# Altium PCB IMX6 DEV BOARD.PcbDoc (part 11 of 12) (continued)
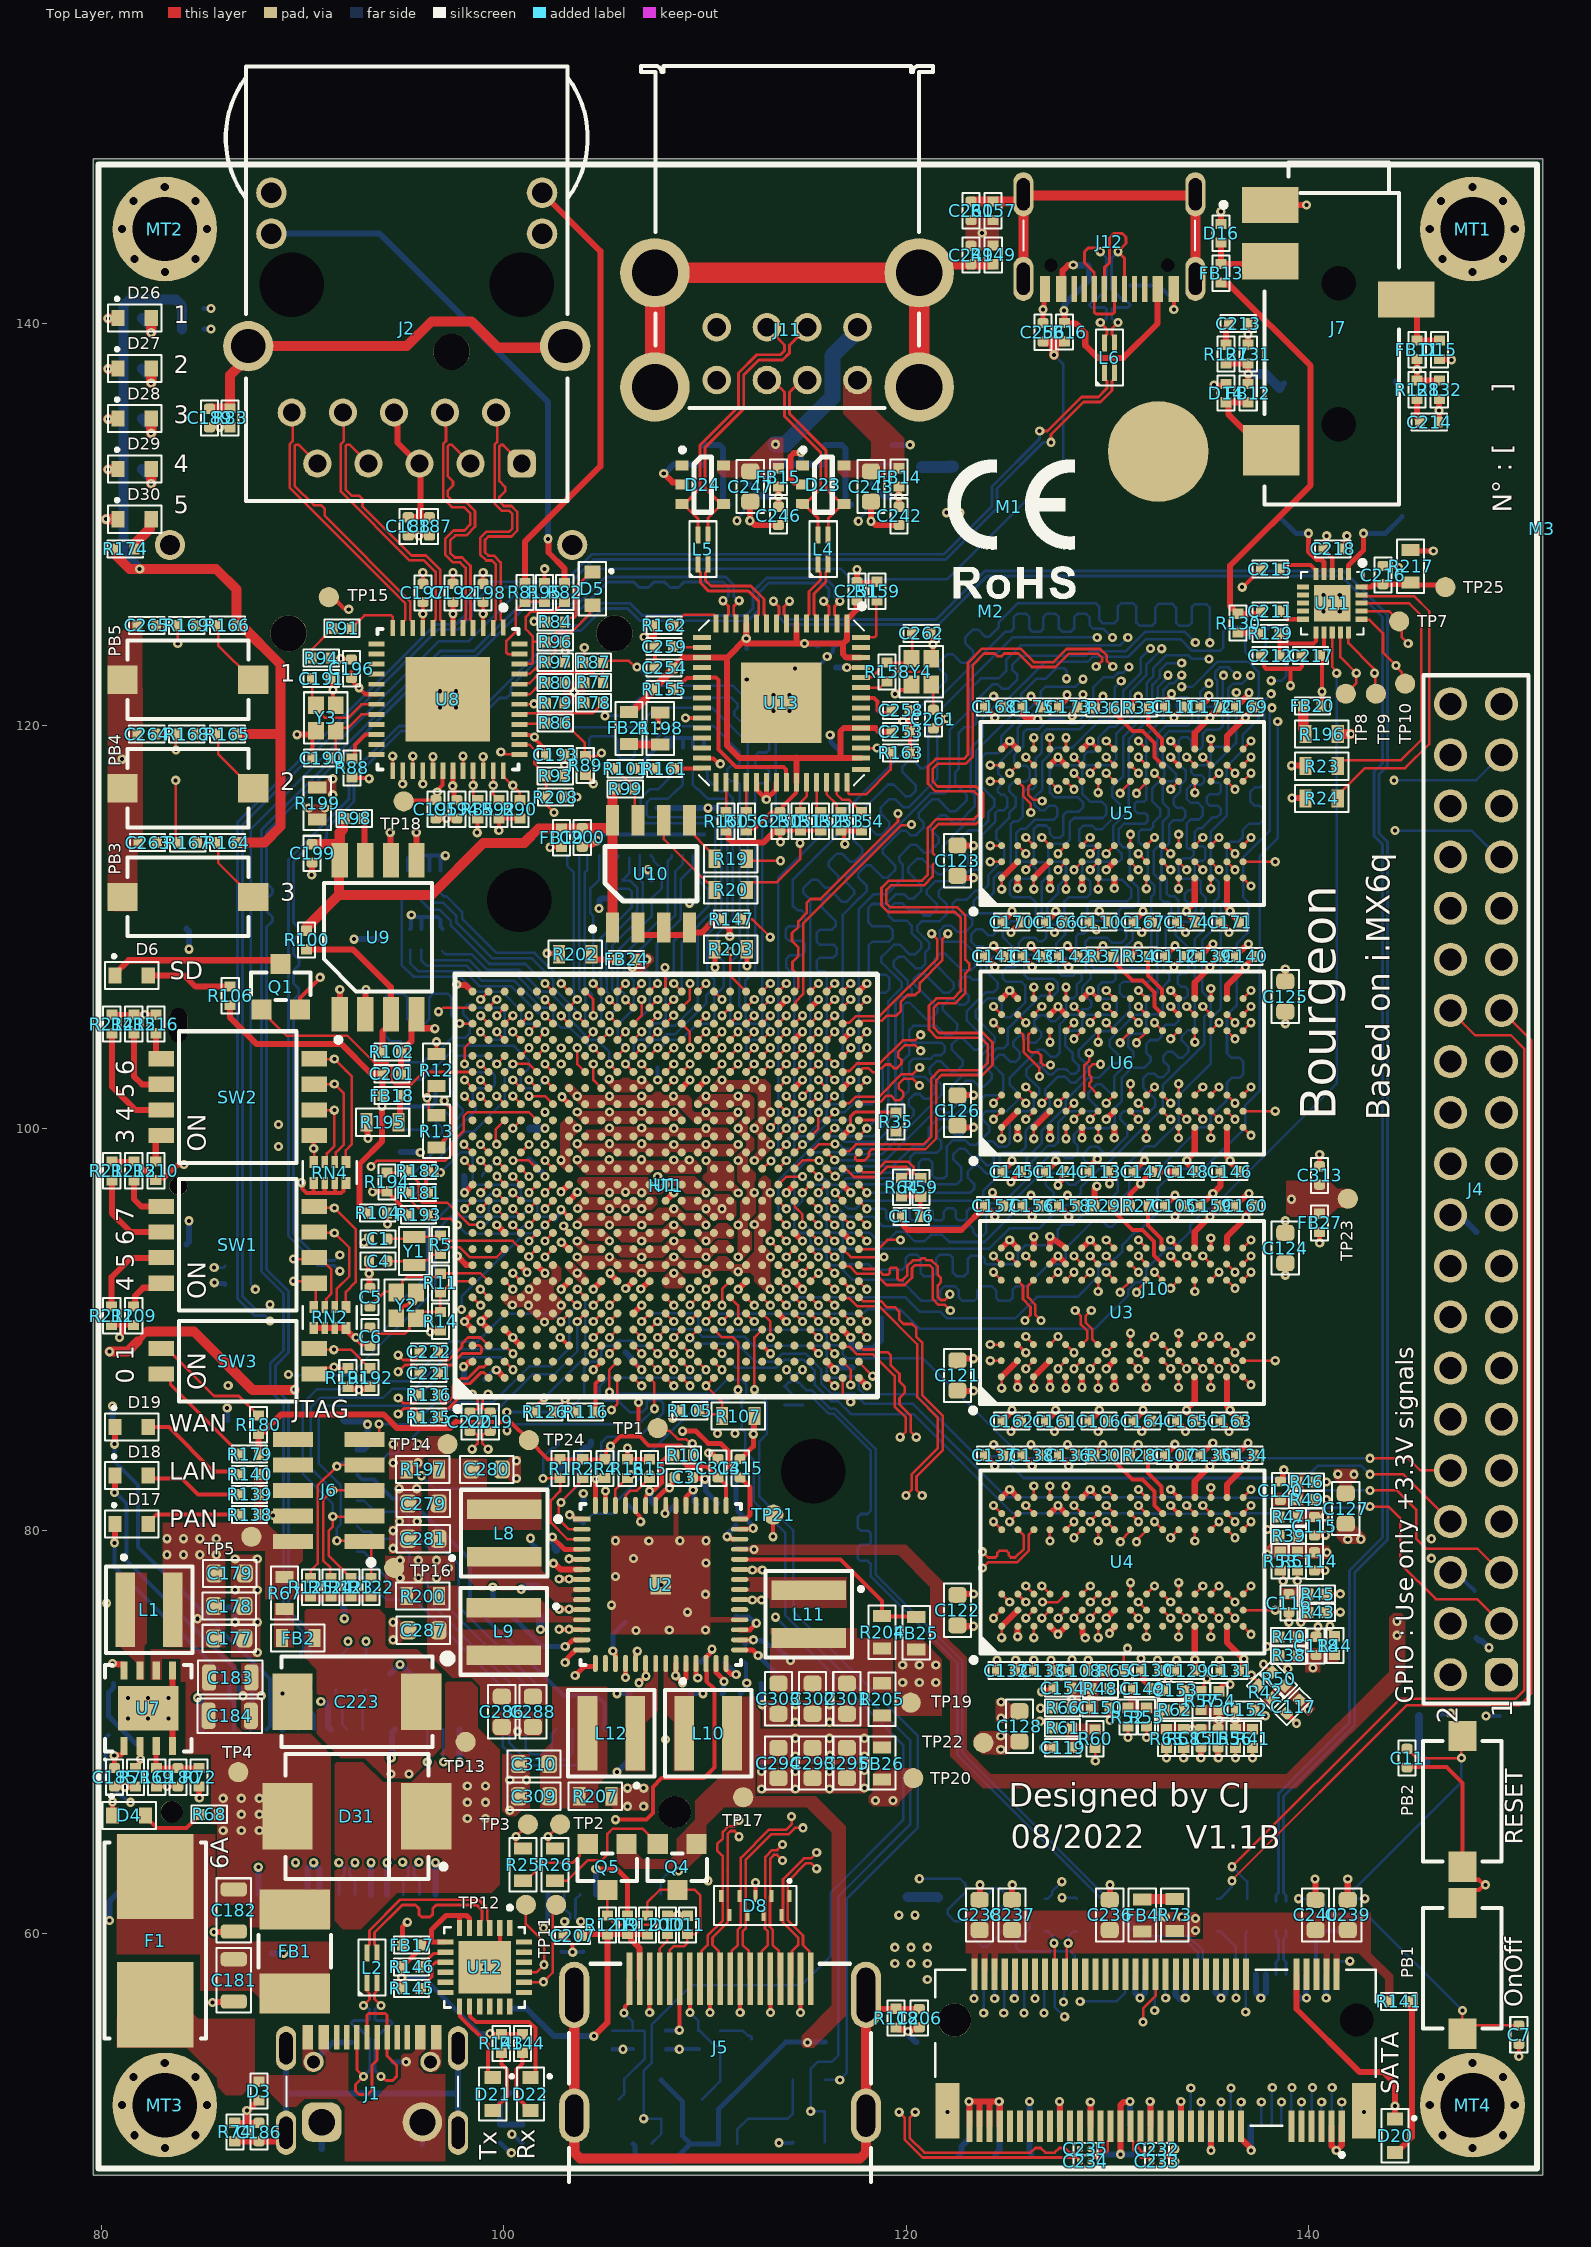
[diagram p0: Top Layer view]
## Polygon pours and split planes (outlines as drawn) (continued)
GND on Top Layer "GND_L01_P099" (solid, pour order 99): 94.722,75.674 94.984,75.412 95.535,75.412 95.535,74.687 95.09,74.687 94.744,74.341 94.274,74.353 94.274,75.674
NetL8_1 on Top Layer "NETL8_1_L01_P093" (solid, pour order 93): 17 vertices, not listed, extent 98.2,76.45 104.15,79.05
NetL9_1 on Top Layer "NETL9_1_L01_P092" (solid, pour order 92): 104.05,75.45 104.05,75.692 103.368,75.692 103.368,75.75 102.65,75.75 101.75,76.65 98.35,76.65 98.15,76.45 98.15,75.45
NetL11_1 on Top Layer "NETL11_1_L01_P091" (solid, pour order 91): 112.237,77.475 112.237,77.175 111.328,77.175 111.328,76.973 112.855,76.974 113.228,76.6 113.228,76.175 117.053,76.175 117.053,77.675 111.353,77.675 111.353,77.475
NetL12_1 on Top Layer "NETL12_1_L01_P090" (solid, pour order 90): 107.05,68.05 107.05,70.462 107.65,71.062 107.65,73.75 107.45,73.75 107.45,72.75 106.85,72.15 106.05,72.15 106.05,68.05
GND on Top Layer "GND_L01_P088" (solid, pour order 88): 142.4,83.075 142.4,82.575 142.15,82.325 142.15,81.625 141.975,81.45 141.7,81.45 141.55,81.6 141.55,82.3 141.25,82.6 141.25,83.075
GND on Top Layer "GND_L01_P083" (solid, pour order 83): 124.45,71.625 124.95,71.625 125.2,71.375 125.9,71.375 126.075,71.2 126.075,70.925 125.925,70.775 125.225,70.775 124.925,70.475 124.45,70.475
+0.75_DRAM_VTT on Top Layer "+0.75_DRAM_VTT_L01_P082" (solid, pour order 82): 124.35,68.875 123.773,68.877 123.35,69.3 123.35,69.7 123.673,70.023 124.352,70.025 124.95,70.025 125.2,69.775 125.9,69.775 126.075,69.6 126.075,69.325 125.925,69.175 125.225,69.175 124.925,68.875
+0.75_DRAM_VTT on Top Layer "+0.75_DRAM_VTT_L01_P081" (solid, pour order 81): 141.4,79.65 141.7,79.35 142.7,79.35 142.85,79.5 142.85,79.75 142.3,80.3 142.3,80.425 142.175,80.55 141.425,80.55 141.425,80.5 141.4,80.475
+0.75V_VREF_DRAM on Top Layer "+0.75V_VREF_DRAM_L01_P070" (solid, pour order 70): 140.987,95.6 141.445,96.058 142.1,96.058 142.1,97 141.438,97 141.038,97.4 138.9,97.4 138.9,95.6
+0.75_DRAM_VTT on Top Layer "+0.75_DRAM_VTT_L01_P010" (solid, pour order 10): 133.55,72.35 133.55,70.855 134.076,70.855 134.076,72.35
+0.75_DRAM_VTT on Top Layer "+0.75_DRAM_VTT_L01_P007" (solid, pour order 7): 136.125,69.925 137.494,69.925 137.494,70.4 136.656,70.4 136.656,71.35 136.125,71.35
DRAM_CLK0_CAP on Top Layer "DRAM_CLK0_CAP_L01_P020" (solid, pour order 20): 130.75,70.925 132.25,70.925 132.25,71.416 131.508,71.416 131.508,72.375 131.046,72.375 131.046,71.416 130.75,71.416
+0.75_DRAM_VTT on Top Layer "NONET_L-01_P-001" (solid, pour order 21): 129.675,69.871 129.087,69.871 129.087,69.575 128.5,69.575 128.5,68.95 127.975,68.95 127.975,70.4 129.675,70.4
+0.75_DRAM_VTT on Top Layer "+0.75_DRAM_VTT_L01_P017" (solid, pour order 17): 139.769,81.25 139.769,82.75 139.119,82.75 139.119,81.875 138.244,81.875 138.244,81.25 138.369,81.25
+0.75_DRAM_VTT on Top Layer "+0.75_DRAM_VTT_L01_P008" (solid, pour order 8): 132.617,70.375 132.617,69.9 134.992,69.9 134.992,70.375
+0.75_DRAM_VTT on Top Layer "+0.75_DRAM_VTT_L01_P009" (solid, pour order 9): 134.4,71.35 135.8,71.35 135.8,69.975 135.275,69.975 135.275,70.817 134.4,70.817
+0.75_DRAM_VTT on Top Layer "+0.75_DRAM_VTT_L01_P011" (solid, pour order 11): 137.748,71.593 138.815,72.66 140.337,71.138 139.975,70.775 138.8,71.95 138.096,71.246
+0.75_DRAM_VTT on Top Layer "+0.75_DRAM_VTT_L01_P012" (solid, pour order 12): 139.844,73.475 139.844,72.975 140.569,72.975 140.569,73.475 141.469,73.475 141.469,74.15 139.844,74.15 139.844,75.05 139.119,75.05 139.119,73.475
+0.75_DRAM_VTT on Top Layer "+0.75_DRAM_VTT_L01_P014" (solid, pour order 14): 140.169,75.7 139.772,75.304 139.615,75.304 139.519,75.4 139.519,76.575 138.694,76.575 138.694,77.15 140.169,77.15
+0.75_DRAM_VTT on Top Layer "+0.75_DRAM_VTT_L01_P015" (solid, pour order 15): 138.244,79.25 138.244,78.6 141.019,78.6 141.019,79.25
+0.75_DRAM_VTT on Top Layer "+0.75_DRAM_VTT_L01_P016" (solid, pour order 16): 139.169,79.4 139.744,79.4 139.744,80.425 141.051,80.425 141.051,80.707 141.051,80.975 139.169,80.975
+0.75_DRAM_VTT on Top Layer "+0.75_DRAM_VTT_L01_P018" (solid, pour order 18): 127.969,72.5 127.969,70.95 128.619,70.95 128.619,72.5
+0.75_DRAM_VTT on Top Layer "+0.75_DRAM_VTT_L01_P019" (solid, pour order 19): 128.9,72.469 128.9,70.825 129.544,70.825 129.544,72.3 129.944,72.7 130.194,72.7 130.194,73.35 129.569,73.35 129.569,72.9 129.144,72.475
+1.375_VDD_SOC_IN on PWR 1 "+1.375_VDD_SOC_IN_L04_P140" (solid, pour order 140): 45 vertices, not listed, extent 87.225,70.5 119,126.7
+1.5V_DRAM on PWR 1 "+1.5V_DRAM_L04_P133" (solid, pour order 133): 33 vertices, not listed, extent 109.475,71.9 144.35,126.8
+2.8V_VDD_HIGH on PWR 1 "+2.8V_VDD_HIGH_L04_P223" (solid, pour order 223): 112.1,87.5 113.2,86.4 113.2,86.2 111.6,84.6 108.5,84.6 107.037,86.062 107.037,88.338 103.15,92.225 103.15,94.3 103.55,94.7 107.2,94.7 112.1,89.8
VDDARM_CAP on PWR 1 "VDDARM_CAP_L04_P218" (solid, pour order 218): 107.275,94.75 109.625,92.4 109.9,92.4 111.475,93.975 111.475,94.75 111.5,94.75 111.5,97.1 103.175,97.1 103.175,94.75
+3.3V on PWR 1 "+3.3V_L04_P211" (solid, pour order 211): 66 vertices, not listed, extent 80.05,48.225 151.45,147.975
+3.3V_CARD on PWR 1 "+3.3V_CARD_L04_P203" (solid, pour order 203): 20 vertices, not listed, extent 80.05,48.4 144.45,80.1
+3.0V_VSNVS on PWR 1 "+3.0V_VSNVS_L04_P149" (solid, pour order 149): 106.75,86.8 106.95,86.6 106.95,86.1 105.35,86.1 101.2,90.25 101.2,95.025 102.35,96.175 103.05,96.175 103.05,92.3 106.75,88.6
+4.4V on PWR 1 "+4.4V_L04_P128" (solid, pour order 128): 27 vertices, not listed, extent 96.625,64.675 117.525,86.2
+0.75_DRAM_VTT on PWR 1 "+0.75_DRAM_VTT_L04_P025" (solid, pour order 25): 22 vertices, not listed, extent 105.775,65.375 144.2,83.7
+5V on PWR 2 "+5V_L05_P207" (solid, pour order 207): 37 vertices, not listed, extent 79.95,48.3 151.35,147.8
NetC283_1 on PWR 2 "NETC283_1_L05_P217" (solid, pour order 217): 21 vertices, not listed, extent 89.75,60.7 106.344,116.25
+3.3V_AUDIO on PWR 2 "+3.3V_AUDIO_L05_P320" (solid, pour order 320): 135.6,128.8 137.2,130.4 138.7,130.4 144.2,130.4 144.2,127.5 142.7,126 142.7,121.2 137.6,121.2 135.6,123.2
+3.3V_IMX6_IO on PWR 2 "+3.3V_IMX6_IO_L05_P143" (solid, pour order 143): 35 vertices, not listed, extent 102.475,90.9 117.425,108.6
NetC296_1 on PWR 2 "NETC296_1_L05_P146" (solid, pour order 146): 27 vertices, not listed, extent 110.45,72.6 122.075,109.925
NetC300_1 on PWR 2 "NETC300_1_L05_P216" (solid, pour order 216): 20 vertices, not listed, extent 142.9,74.5 151.4,129
+2.5V_TRANS on PWR 2 "+2.5V_TRANS_L05_P148" (solid, pour order 148): 37 vertices, not listed, extent 91.85,101.325 111.05,126.8
+3.3V on PWR 2 "+3.3V_L05_P214" (solid, pour order 214): 23 vertices, not listed, extent 103.35,65.7 117.9,87
+1.375_VDD_ARM on PWR 2 "+1.375_VDD_ARM_L05_P142" (solid, pour order 142): 36 vertices, not listed, extent 91.575,63.8 111.9,114.5
+5V_CdE on Bottom Layer "+5V_CDE_L08_P312" (solid, pour order 312): 55 vertices, not listed, extent 118.5,48.725 131.775,54.5
+3.3V_PCIe on Bottom Layer "+3.3V_PCIE_L08_P205" (solid, pour order 205): 25 vertices, not listed, extent 83.85,59.7 107.75,72.3
+1.5V_PCIe on Bottom Layer "+1.5V_PCIE_L08_P215" (solid, pour order 215): 36 vertices, not listed, extent 85.55,66 119.6,74
+2.8V_VDD_HIGH on Bottom Layer "+2.8V_VDD_HIGH_L08_P324" (solid, pour order 324): 27 vertices, not listed, extent 108.4,79.5 113.6,86.1
+1.5V_DRAM on Bottom Layer "+1.5V_DRAM_L08_P251" (solid, pour order 251): 57 vertices, not listed, extent 109.425,92.1 112.75,101.8
+5V_GPIO on Bottom Layer "+5V_GPIO_L08_P323" (solid, pour order 323): 143.3,78.4 142.6,77.7 142.6,76.4 142.9,76.1 145.5,76.1 145.5,77.4 144.5,78.4
NetC204_1 on Bottom Layer "NETC204_1_L08_P306" (solid, pour order 306): 147.85,72.5 148.616,73.266 148.616,73.734 147.85,74.5 147.85,74.8 148.55,75.5 148.55,76.363 146.538,76.363 146.15,75.975 143.375,73.2 142.95,73.2 142.95,71.8 147.15,71.8
GND on Bottom Layer "GND_L08_P289" (solid, pour order 289): 58 vertices, not listed, extent 110.2,91.7 113.675,103
+3.3V_CARD on Bottom Layer "+3.3V_CARD_L08_P319" (solid, pour order 319): 119.65,60 120.501,60 120.501,60.251 120.65,60.4 120.65,61 119.45,61 119.45,60.4 119.65,60.2
+5V on Bottom Layer "+5V_L08_P317" (solid, pour order 317): 146.078,79.9 146.339,79.639 146.35,78.96 146.35,78.616 145.637,77.9 145.25,77.9 145.25,79.6 145.55,79.9
+5V on Bottom Layer "+5V_L08_P301" (solid, pour order 301): 121.85,131.575 121.85,130.8 121.725,130.675 121.725,130.425 121.775,130.375 122.9,130.375 122.95,130.425 122.95,130.65 122.775,130.825 122.775,131.575
+3.3V_CdE on Bottom Layer "+3.3V_CDE_L08_P313" (solid, pour order 313): 27 vertices, not listed, extent 120.85,48.75 133.275,60.55
NetFB7_1 on Bottom Layer "NETFB7_1_L08_P310" (solid, pour order 310): 120.525,56.225 120.525,55.725 119.5,54.7 119.5,54.3 118.6,54.3 118.5,54.2 118.5,55.175 119.625,56.3 120.45,56.3
+5V on Bottom Layer "+5V_L08_P309" (solid, pour order 309): 119.1,57.3 121.3,57.3 121.3,59.575 119.1,59.575
NetC202_1 on Bottom Layer "NETC202_1_L08_P307" (solid, pour order 307): 42 vertices, not listed, extent 148.15,66.9 151.375,94.225
+5V_USB_HOST on Bottom Layer "+5V_USB_HOST_L08_P297" (solid, pour order 297): 20 vertices, not listed, extent 108.4,128.8 121.375,132.35
+2.5V_TRANS on Bottom Layer "+2.5V_TRANS_L08_P293" (solid, pour order 293): 110.037,102.938 110.037,102.713 110.25,102.5 110.25,102.275 110.125,102.15 109.85,102.15 109.575,102.425 109.575,102.95 109.65,103.025 109.95,103.025
+3.3V_IMX6_IO on Bottom Layer "+3.3V_IMX6_IO_L08_P292" (solid, pour order 292): 108.775,101.475 108.775,102.225 109.075,102.525 109.325,102.525 109.475,102.375 109.475,102.025 109.075,101.625 109.075,101.5
+2.5V_TRANS on Bottom Layer "+2.5V_TRANS_L08_P290" (solid, pour order 290): 102.923,101.348 103.3,101.725 103.3,102.075 103.225,102.15 103.025,102.15 103.025,102 102.673,101.648
VDDHIGH_CAP on Bottom Layer "VDDHIGH_CAP_L08_P288" (solid, pour order 288): 111.775,92.175 112.075,91.875 112.075,91.35 112.025,91.3 111.75,91.3 111.75,91.6 111.425,91.925
GND on Bottom Layer "GND_L08_P287" (solid, pour order 287): 101.05,92.6 100.965,92.685 100.965,92.865 101.1,93 101.2,93 101.5,92.7 101.65,92.7 101.7,92.65 101.7,92.275 101.45,92.025 101.45,91.925 101.325,91.8 101.125,91.8 101.1,91.825 101.05,91.9
VDDHIGH_CAP on Bottom Layer "VDDHIGH_CAP_L08_P286" (solid, pour order 286): 102.65,91.95 102.8,91.8 102.975,91.8 103.2,92.025 103.2,92.6 103.125,92.675 102.925,92.675 102.85,92.6 102.85,92.3 102.675,92.125
VDDHIGH_CAP on Bottom Layer "VDDHIGH_CAP_L08_P285" (solid, pour order 285): 28 vertices, not listed, extent 105.025,90 107.05,92.95
+3.3V_IMX6_IO on Bottom Layer "+3.3V_IMX6_IO_L08_P284" (solid, pour order 284): 104.275,92.125 104.25,92.125 104.25,91.8 104.775,91.8 104.925,91.95 104.925,92.575 104.875,92.625 104.65,92.625 104.525,92.5 104.525,92.375
VDDSOC_CAP on Bottom Layer "VDDSOC_CAP_L08_P283" (solid, pour order 283): 106.375,92.125 106.375,92.025 106.225,91.875 105.95,91.875 105.9,91.925 105.875,92.025 105.875,92.1 106.15,92.375 106.15,92.55 106.2,92.6 106.475,92.6 106.525,92.55 106.525,92.275
VDDSOC_CAP on Bottom Layer "VDDSOC_CAP_L08_P282" (solid, pour order 282): 17 vertices, not listed, extent 102.825,92.309 104.4,93.225
+3.3V_IMX6_IO on Bottom Layer "+3.3V_IMX6_IO_L08_P281" (solid, pour order 281): 108.225,92.725 108.65,92.3 109.7,92.3 109.775,92.375 109.775,92.6 109.625,92.75 108.775,92.75 108.5,93.025
GND on Bottom Layer "GND_L08_P280" (solid, remove dead copper, pour order 280): 72 vertices, not listed, extent 102.35,90.825 111.8,93.9
NVCC_PLL_OUT on Bottom Layer "NVCC_PLL_OUT_L08_P279" (solid, pour order 279): 101.525,92.975 101.65,92.85 101.775,92.85 101.85,92.775 101.85,92.225 101.6,91.975 101.6,91.2 101.675,91.125 102.275,91.125 102.45,91.3 102.45,92 102.25,92.2 102.25,92.975 102.025,93.2 101.525,93.2
NetC104_1 on Bottom Layer "NETC104_1_L08_P278" (solid, pour order 278): 101.922,93.425 102.3,93.425 102.425,93.55 102.6,93.55 102.625,93.575 102.625,93.85 102.075,93.85 101.817,93.592
+2.8V_VDD_HIGH on Bottom Layer "+2.8V_VDD_HIGH_L08_P277" (solid, pour order 277): 103.6,94.575 104.5,94.575 104.825,94.25 104.825,94.025 103.8,94.025 103.45,94.375
VDDHIGH_CAP on Bottom Layer "VDDHIGH_CAP_L08_P276" (solid, pour order 276): 104.6,94.7 105.075,94.225 105.35,94.225 105.475,94.35 105.475,94.425 104.9,95 104.6,95
VDD_SNVS_CAP on Bottom Layer "VDD_SNVS_CAP_L08_P275" (solid, pour order 275): 102.4,94.964 102.4,94.525 102.675,94.25 102.95,94.25 103,94.3 103,94.55 102.609,94.941
VDDARM_CAP on Bottom Layer "VDDARM_CAP_L08_P274" (solid, pour order 274): 104.037,95.112 104.313,95.112 104.425,95 104.425,94.8 104.35,94.725 103.775,94.725 103.748,94.748 103.425,95.075 103.425,95.275 103.45,95.3 103.848,95.3
VDDSOC_CAP on Bottom Layer "VDDSOC_CAP_L08_P273" (solid, pour order 273): 102.425,96.3 102.55,96.3 103.025,96.775 103.025,96.95 102.9,97.075 102.725,97.075 102.4,96.75 102.4,96.45
VDDARM_CAP on Bottom Layer "VDDARM_CAP_L08_P271" (solid, pour order 271): 104.55,97.75 104.55,97.225 104.55,96.55 104.65,96.45 106.825,96.45 107.025,96.65 107.025,96.9 106.9,97.025 106.175,97.025 106.025,97.175 106.025,97.9 105.9,98.025 104.825,98.025
VDDHIGH_CAP on Bottom Layer "VDDHIGH_CAP_L08_P270" (solid, pour order 270): 103.425,96.775 103.725,96.475 104.225,96.475 104.3,96.55 104.3,96.75 104.075,96.975 103.575,96.975
VDDARM_CAP on Bottom Layer "VDDARM_CAP_L08_P269" (solid, pour order 269): 108.8,94.975 108.8,94.6 108.85,94.55 109.65,94.55 110.2,95.1 110.2,95.2 110.1,95.3 109.9,95.3 109.7,95.1 108.925,95.1
VDDARM_CAP on Bottom Layer "VDDARM_CAP_L08_P268" (solid, pour order 268): 106.625,95.15 107.25,94.525 107.9,94.525 108.1,94.725 108.1,95.05 107.875,95.275 107.1,95.275 107,95.375 106.8,95.375
VDDSOC_CAP on Bottom Layer "VDDSOC_CAP_L08_P267" (solid, pour order 267): 109.95,94.575 109.947,94.311 110.111,94.211 110.425,94.525 111.3,94.525 111.3,94.95 111.1,95.15 110.525,95.15
VDDARM_CAP on Bottom Layer "VDDARM_CAP_L08_P266" (solid, pour order 266): 110.075,97 110.275,96.8 110.275,96.725 110,96.45 109.5,96.45 109.425,96.525 109.425,96.725 109.7,97
VDDSOC_CAP on Bottom Layer "VDDSOC_CAP_L08_P265" (solid, pour order 265): 19 vertices, not listed, extent 109.35,96.4 111.775,98.8
VDDSOC_CAP on Bottom Layer "VDDSOC_CAP_L08_P264" (solid, pour order 264): 108.525,97.025 108.725,97.025 109.05,96.7 109.05,96.575 108.95,96.475 108.425,96.475 108.275,96.625 108.275,96.775 108.475,96.975
GND on Bottom Layer "GND_L08_P263" (solid, pour order 263): 102.65,102.125 102.425,102.125 101.825,101.525 101.825,98.925 102.1,98.65 102.575,98.65 102.75,98.825 102.75,101.175 102.55,101.375 102.55,101.775 102.75,101.975
+3.3V_IMX6_IO on Bottom Layer "+3.3V_IMX6_IO_L08_P262" (solid, pour order 262): 103.1,98.25 103.25,98.4 103.25,98.575 103.375,98.7 103.375,99 103.3,99.075 103.3,99.475 103.625,99.8 103.625,100.3 103.275,100.65 102.875,100.65 102.875,98.725 102.7,98.55 102.7,98.325 102.775,98.25
GND on Bottom Layer "GND_L08_P184" (solid, pour order 184): 75 vertices, not listed, extent 102.875,94.725 111.75,99.9
VDDARM_CAP on Bottom Layer "VDDARM_CAP_L08_P258" (solid, pour order 258): 105.025,95.075 105.35,94.746 105.85,94.746 105.85,95 105.748,95 105.448,95.3 105.05,95.3 105.025,95.275
+1.375_VDD_ARM on Bottom Layer "+1.375_VDD_ARM_L08_P256" (solid, pour order 256): 35 vertices, not listed, extent 105.55,93.5 111.35,95
+1.375_VDD_ARM on Bottom Layer "+1.375_VDD_ARM_L08_P255" (solid, pour order 255): 108.25,98.5 108.55,98.8 109.65,98.8 109.65,98.5 109.45,98.3 108.35,98.3
+1.375_VDD_ARM on Bottom Layer "+1.375_VDD_ARM_L08_P254" (solid, pour order 254): 103.225,98.175 103.95,98.9 106.75,98.9 107.05,98.6 107.05,98.4 106.95,98.3 104.805,98.3 104.35,97.845 104.35,97.3 104.25,97.2 103.35,97.2 103.225,97.325
+1.375_VDD_SOC_IN on Bottom Layer "+1.375_VDD_SOC_IN_L08_P252" (solid, pour order 252): 37 vertices, not listed, extent 103.95,99.7 111.35,100.8
GND on Bottom Layer "GND_L08_P250" (solid, pour order 250): 109.75,100.7 109.85,100.6 110.15,100.6 110.25,100.7 110.25,100.8 109.75,101.3 108.833,101.3 108.65,101.483 108.65,101.7 108.25,101.7 108.25,101.5 109.05,100.7
+3.3V_IMX6_IO on Bottom Layer "+3.3V_IMX6_IO_L08_P248" (solid, pour order 248): 22 vertices, not listed, extent 104.65,102.275 106.975,102.9
GND on Bottom Layer "GND_L08_P247" (solid, pour order 247): 20 vertices, not listed, extent 103.45,101.4 107.05,102.4
VDDPU_CAP on Bottom Layer "VDDPU_CAP_L08_P245" (solid, pour order 245): 35 vertices, not listed, extent 103.05,100.7 108.65,101.6
GND on Bottom Layer "GND_L08_P136" (solid, pour order 136): 104.657,73.25 105.2,73.25 105.2,74.1 111.2,74.1 111.2,75.35 110.9,75.35 110.9,80.6 104.657,80.6
+4.4V on Bottom Layer "+4.4V_L08_P126" (solid, pour order 126): 107.65,73.75 107.65,71.85 106.45,71.85 106.45,73.75
+4.4V on Bottom Layer "+4.4V_L08_P125" (solid, pour order 125): 107.95,73.75 107.95,71.85 109.15,71.85 109.15,73.75
+4.4V on Bottom Layer "+4.4V_L08_P124" (solid, pour order 124): 111.25,78.35 111.25,76.35 113.05,76.35 113.05,78.35
+4.4V on Bottom Layer "+4.4V_L08_P117" (solid, pour order 117): 103.45,75.35 103.45,75.15 104.2,75.15 104.2,73.15 103.4,73.15 103.4,74.6 102.45,74.6 102.45,75.35
+4.4V on Bottom Layer "+4.4V_L08_P116" (solid, pour order 116): 102.55,75.65 103.55,75.65 103.55,75.35 104.2,75.35 104.2,77.25 102.55,77.25
+4.4V on Bottom Layer "+4.4V_L08_P115" (solid, pour order 115): 102.95,78.254 103.65,78.254 103.65,79.45 104.2,79.45 104.2,77.35 102.45,77.35 102.45,77.85 102.95,77.85
no net on Top Solder "NONET_L01_P185" (solid, pour order 185): 105.35,74.85 110.25,74.85 110.25,79.75 105.35,79.75
VDDSOC_CAP on Inner 5 "VDDSOC_CAP_L06_P222" (solid, pour order 222): 102.55,95.989 102.55,92.6 104.8,92.6 105.2,92.2 105.6,92.2 106,91.8 108.225,91.775 112,95.55 112,97.9 111.8,98.1 111.8,101.8 111.2,102.4 107.3,102.4 102.55,97.65
+1.1V_PHY on Inner 2 "+1.1V_PHY_L03_P322" (solid, pour order 322): 91.9,126 90.9,125 90.9,116.5 91.9,115.5 102,115.5 102.8,116.3 102.8,124.8 101.6,126
VDDHIGH_CAP on Inner 2 "VDDHIGH_CAP_L03_P221" (solid, pour order 221): 23 vertices, not listed, extent 102.65,91.525 116.1,102
GND on GND 1 (split plane): 151.14,48.479 80.11,48.479 80.11,147.69 151.14,147.69
GND on GND2 (split plane): 151.14,48.479 80.11,48.479 80.11,147.69 151.14,147.69

## Keep-outs
Keep-Out Layer:
  lines w0.1: 79.775,48.225 79.775,147.95 151.4,147.95 151.4,48.225 79.775,48.225

## Other copper
Bottom Layer:
  pour cut-out: 89.094,63.036 89.094,60.8 88.906,60.8 88.906,63.036
  pour cut-out: 123.804,51.277 123.984,51.277 123.984,49.511 123.771,49.511 123.771,51.277
  pour cut-out: 132.802,51.342 132.982,51.342 132.982,49.575 132.769,49.575 132.769,51.342
  pour cut-out: 125.303,51.287 125.482,51.287 125.482,49.52 125.269,49.52 125.269,51.287
  pour cut-out: 126.813,51.302 126.992,51.302 126.992,49.536 126.78,49.536 126.78,51.302

## Silkscreen, mask and mechanical layers (free items; w line width, h text height)
Top Overlay:
  lines w0.3: 79.85,48.3 151.35,48.3 151.35,147.9 79.85,147.9 79.85,48.3
  text "1" at 83.6,139.725 h1.5
  text "2" at 83.6,137.225 h1.5
  text "3" at 83.6,134.743 h1.5
  text "4" at 83.6,132.3 h1.5
  text "5" at 83.6,130.279 h1.5
  text "1" at 88.9,121.9 h1.5
  text "2" at 88.9,116.5 h1.5
  text "3" at 88.9,111.018 h1.5
  text "SD" at 83.4,107.118 h1.5
  text "Bourgeon" at 141.934,100.4 h3 r90
  text "Based on i.MX6q" at 144.444,100.4 h2 r90
  text "3 4 5 6" at 81.9,99.2 h1.5 r90
  text "4 5 6 7" at 81.9,91.9 h1.5 r90
  text "0 1" at 81.9,87.3 h1.5 r90
  text "JTAG" at 89.497,85.317 h1.5
  text "WAN" at 83.358,84.625 h1.5
  text "LAN" at 83.358,82.227 h1.5
  text "PAN" at 83.358,79.875 h1.5
  text "GPIO : Use only +3.3V signals" at 145.5,71.408 h1.5 r90
  text "Designed by CJ" at 125.1,65.876 h2
  text "RESET" at 150.947,64.396 h1.5 r90
  text "08/2022" at 125.2,63.822 h2
  text "V1.1B" at 133.9,63.8 h2
  text "6A" at 86.6,63.174 h1.5 r90
  text "OnOff" at 150.919,56.308 h1.5 r90
  text "SATA" at 144.782,52 h1.5 r90
  text "Tx" at 99.95,48.725 h1.5 r90
  text "Rx" at 101.825,48.725 h1.5 r90
Bottom Overlay:
  lines w0.3: 79.85,48.3 151.35,48.3 151.35,147.9 79.85,147.9 79.85,48.3
  text "MAX 0.5A/port" at 118.8,145.066 h1.5
  text "Use 2032 cells" at 101.7,116.018 h1.5
  text "Non-standard connector  / DO NOT connect wifi card or other" at 143.85,63.5 h1.5
  text "POW / tty" at 96.4,57.883 h1.5
  text "+5V 5A" at 95.9,56.418 h1.5
  text "+" at 95.454,51.8 h1.52
  text "-" at 90.454,51.692 h1.52
Mechanical 2:
  text "open landscape for no solder resist" at 111.575,155.575 h0.81 r90
  text "open landscape for no solder resist" at 123.35,109.825 h0.81 r90
  text "open landscape for no solder resist" at 76.131,70.232 h0.81 r90
Assembly Notes:
  drawing of 603 lines, arcs and shapes, not listed
  text "1" at 31.403,206.675 h1.78
  text "2" at 94.793,206.675 h1.78
  text "3" at 158.022,206.675 h1.78
  text "4" at 221.691,206.675 h1.78
  text "5" at 275,206.45 h1.78
  text "REVISION HISTORY" at 234.5,201.036 h3
  text "ZONE" at 211.9,197.424 h2
  text "REV" at 202.7,197.4 h2
  text "DATE" at 284,197.4 h2
  text "DESCRIPTION" at 244.7,197.324 h2
  text "Original release" at 221,194.376 h2
  text "All" at 213.1,194.3 h2
  text "A" at 203.707,194.157 h2.5
  text "05/2022" at 282.6,194.128 h2.5
  text "All" at 213.1,191.1 h2
  text "First batch" at 221,191.12 h2
  text "08/2022" at 282.724,191.03 h2.5
  text "B" at 203.9,190.9 h2.5
  text "A" at 2.032,177.643 h1.78
  text "A" at 294.132,177.643 h1.78
  text "Layer" at 206.973,174.4 h1
  text "Name" at 213.979,174.4 h1
  text "Material" at 229.65,174.4 h1
  text "Thickness" at 244.154,174.4 h1
  text "Constant" at 255.159,174.4 h1
  text "Board Layer Stack" at 264.832,174.4 h1
  text "Top Overlay" at 213.979,172.4 h1
  text "Top Solder" at 213.979,170.4 h1
  text "Solder Resist" at 229.65,170.4 h1
  text "0,010mm" at 244.154,170.4 h1
  text "3.5" at 255.159,170.4 h1
  text "1" at 206.973,168.4 h1
  text "Top Layer" at 213.979,168.4 h1
  text "CF-004" at 229.65,168.4 h1
  text "0,018mm" at 244.154,168.4 h1
  text "Dielectric 2" at 213.979,166.4 h1
  text "IS400" at 229.65,166.4 h1
  text "0,120mm" at 244.154,166.4 h1
  text "4.2" at 255.159,166.4 h1
  text "2" at 206.973,164.4 h1
  text "GND 1" at 213.979,164.4 h1
  text "CF-004" at 229.65,164.4 h1
  text "0,018mm" at 244.154,164.4 h1
  text "Dielectric 6" at 213.979,162.4 h1
  text "IS400" at 229.65,162.4 h1
  text "0,200mm" at 244.154,162.4 h1
  text "4.2" at 255.159,162.4 h1
  text "3" at 206.973,160.4 h1
  text "Inner 2" at 213.979,160.4 h1
  text "CF-004" at 229.65,160.4 h1
  text "0,018mm" at 244.154,160.4 h1
  text "Dielectric 8" at 213.979,158.4 h1
  text "IS400" at 229.65,158.4 h1
  text "0,120mm" at 244.154,158.4 h1
  text "4.2" at 255.159,158.4 h1
  text "Dielectric 4" at 213.979,156.4 h1
  text "IS400" at 229.65,156.4 h1
  text "0,120mm" at 244.154,156.4 h1
  text "4.2" at 255.159,156.4 h1
  text "4" at 206.973,154.4 h1
  text "PWR 1" at 213.979,154.4 h1
  text "CF-004" at 229.65,154.4 h1
  text "0,018mm" at 244.154,154.4 h1
  text "Dielectric 1" at 213.979,152.4 h1
  text "IS400" at 229.65,152.4 h1
  text "0,200mm" at 244.154,152.4 h1
  text "3.9" at 255.159,152.4 h1
  text "5" at 206.973,150.4 h1
  text "PWR 2" at 213.979,150.4 h1
  text "CF-004" at 229.65,150.4 h1
  text "0,018mm" at 244.154,150.4 h1
  text "Dielectric 5" at 213.979,148.4 h1
  text "IS400" at 229.65,148.4 h1
  text "0,120mm" at 244.154,148.4 h1
  text "4.2" at 255.159,148.4 h1
  text "Dielectric 9" at 213.979,146.4 h1
  text "IS400" at 229.65,146.4 h1
  text "0,120mm" at 244.154,146.4 h1
  text "4.2" at 255.159,146.4 h1
  text "6" at 206.973,144.4 h1
  text "Inner 5" at 213.979,144.4 h1
  text "CF-004" at 229.65,144.4 h1
  text "0,018mm" at 244.154,144.4 h1
  text "Dielectric 7" at 213.979,142.4 h1
  text "IS400" at 229.65,142.4 h1
  text "0,200mm" at 244.154,142.4 h1
  text "4.2" at 255.159,142.4 h1
  text "7" at 206.973,140.4 h1
  text "GND2" at 213.979,140.4 h1
  text "CF-004" at 229.65,140.4 h1
  text "0,018mm" at 244.154,140.4 h1
  text "Dielectric 3" at 213.979,138.4 h1
  text "IS400" at 229.65,138.4 h1
  text "0,120mm" at 244.154,138.4 h1
  text "4.2" at 255.159,138.4 h1
  text "8" at 206.973,136.4 h1
  text "Bottom Layer" at 213.979,136.4 h1
  text "CF-004" at 229.65,136.4 h1
  text "0,018mm" at 244.154,136.4 h1
  text "Bottom Solder" at 213.979,134.4 h1
  text "Solder Resist" at 229.65,134.4 h1
  text "0,010mm" at 244.154,134.4 h1
  text "3.5" at 255.159,134.4 h1
  text "Bottom Overlay" at 213.979,132.4 h1
  text "Total board thickness:" at 206.973,130.4 h1
  text "1,483mm" at 244.154,130.4 h1
  text "B" at 2.032,117.191 h1.78
  text "B" at 294.132,117.191 h1.78
  text "C" at 2.032,56.866 h1.78
  text "C" at 294.132,56.866 h1.78
  text ".PCB_license" at 201.4,47.174 h2
  text ".PCB_sensibility" at 284.6,47.174 h2
  text ".society_name" at 233.1,42.236 h3
  text "DATE" at 222.5,41.4 h3
  text "APPROVAL" at 203.173,41.298 h3
  text ".society_address" at 233.1,39.528 h2.5
  text "LOGO" at 278.1,38.536 h3
  text ".society_phone" at 233.1,36.796 h2.5
  text "Designer :" at 201.7,36.47 h2.5
  text ".society_email_or_website" at 233.1,35.018 h2.5
  text ".PCB_date_dsgn" at 221.8,34.428 h2.5
  text ".PCB_design_by" at 201.7,33.428 h2.5
  text "PROJECT TITLE :" at 233.1,29.678 h2.5
  text "Drawn by :" at 201.7,29.47 h2.5
  text ".project_title" at 251.9,29.405 h4
  text ".PCB_date_dwg" at 221.8,27.528 h2.5
  text ".PCB_drawn_by" at 201.7,26.628 h2.5
  text "DWG TITLE :" at 233.1,24.378 h2.5
  text ".dwg_title_article" at 247.4,24.236 h3
  text "Checked by :" at 201.7,22.87 h2.5
  text ".PCB_date_checked" at 221.8,20.928 h2.5
  text ".PCB_checked_by" at 201.695,20.017 h2.5
  text "PAGE TITLE :" at 233.1,17.828 h2.5
  text "Approved by :" at 201.7,15.88 h2.5
  text "D" at 2.3,14.05 h1.78
  text "D" at 294.4,14.05 h1.78
  text ".PCB_date_approved" at 221.2,13.47 h2.5
  text ".PCB_page_name" at 233.1,13.244 h4
  text ".PCB_approved_by" at 201.7,12.525 h2.5
  text "Document number :" at 201.9,7.325 h2.5
  text ".PCB_doc_number" at 222.1,7.328 h2.5
  text "SCALE" at 258.8,7.328 h2.5
  text "SHEET" at 273.5,7.328 h2.5
  text "OF" at 284.9,7.328 h2.5
  text "REV" at 248.6,7.3 h2.5
  text ".PCB_rev" at 253.9,7.3 h2.5
  text ".PCB_scale" at 267.5,7.3 h2.5
  text "1" at 282.4,7.3 h2.5
  text "1" at 289.9,7.3 h2.5
  text "1" at 31.303,2.075 h1.78
  text "2" at 94.693,2.075 h1.78
  text "3" at 157.922,2.075 h1.78
  text "4" at 221.591,2.075 h1.78
  text "5" at 274.9,1.85 h1.78
Mechanical 11:
  lines w0.1: 55.808,74.245 ccw(c58.481,72.882) 57.705,69.984 ; 55.808,85.72 cw(c58.481,87.082) 57.705,89.98 ; 55.84,74.273 ccw(c54.681,75.532) 56.056,74.514 ; 55.84,85.692 cw(c54.681,84.432) 56.056,85.451 ; 56.059,74.512 ccw(c51.091,79.982) 56.059,85.454 ; 57.705,69.982 60.081,69.982 60.081,69.382 69.581,69.382 69.581,69.982 74.593,76.172 75.081,76.172 75.081,83.792 74.593,83.792 69.581,89.982 69.581,90.582 60.081,90.582 60.081,89.982 57.705,89.982
  text ".Designator" at 65.581,78.232 h1.5 r90
Mechanical 12:
  text "D2 - RAM" at 202.6,185.1 h2
  text "dd/mm/yy" at 274.1,185.07 h2.5
Mechanical 13:
  lines w0.1: 55.808,74.245 ccw(c58.481,72.882) 57.705,69.984 ; 55.808,85.72 cw(c58.481,87.082) 57.705,89.98 ; 55.84,74.273 ccw(c54.681,75.532) 56.056,74.514 ; 55.84,85.692 cw(c54.681,84.432) 56.056,85.451 ; 56.059,74.512 ccw(c51.091,79.982) 56.059,85.454 ; 57.705,69.982 60.081,69.982 60.081,69.382 69.581,69.382 69.581,69.982 74.593,76.172 75.081,76.172 75.081,83.792 74.593,83.792 69.581,89.982 69.581,90.582 60.081,90.582 60.081,89.982 57.705,89.982
  lines w0.127: 56.85,125.3 56.85,124.05 66.35,124.05 66.35,137.55 56.85,137.55 56.85,136.3 ; 56.854,125.305 ccw(c50.069,130.8) 58.8,130.8 ccw(c50.069,130.8) 56.854,136.295
Mechanical 15:
  lines w0.05: 64.331,79.982 65.331,79.982 ; 64.831,79.482 64.831,80.482 ; 92,147.25 93,147.25 ; 92.5,146.75 92.5,147.75 ; 99.775,165.325 100.775,165.325 ; 100.275,164.825 100.275,165.825 ; 110.7,42.9 111.7,42.9 ; 111.2,42.4 111.2,43.4 ; 111.55,119.575 112.55,119.575 ; 112.05,119.075 112.05,120.075 ; 137.5,52.7 138.5,52.7 ; 138,52.2 138,53.2 ; 55.281,67.682 55.281,92.282 75.281,92.282 75.281,67.682 55.281,67.682 ; 56.45,121.65 67.15,121.65 67.15,139.95 56.45,139.95 56.45,121.65 ; 81.47,130.44 81.47,164.06 103.53,164.06 103.53,130.44 81.47,130.44 ; 90.725,153.025 90.725,177.625 110.725,177.625 110.725,153.025 90.725,153.025 ; 102.5,107.275 122.5,107.275 122.5,131.875 102.5,131.875 102.5,107.275 ; 106.05,36.175 106.05,57.45 116.35,57.45 116.35,36.175 106.05,36.175 ; 132.3,48.75 143.2,48.75 143.2,56.65 132.3,56.65 132.3,48.75 ; 271.648,80.402 271.648,90.002 294.048,90.002 294.048,80.402 271.648,80.402